# Altium PCB utca-rtm-template.PcbDoc (continued)
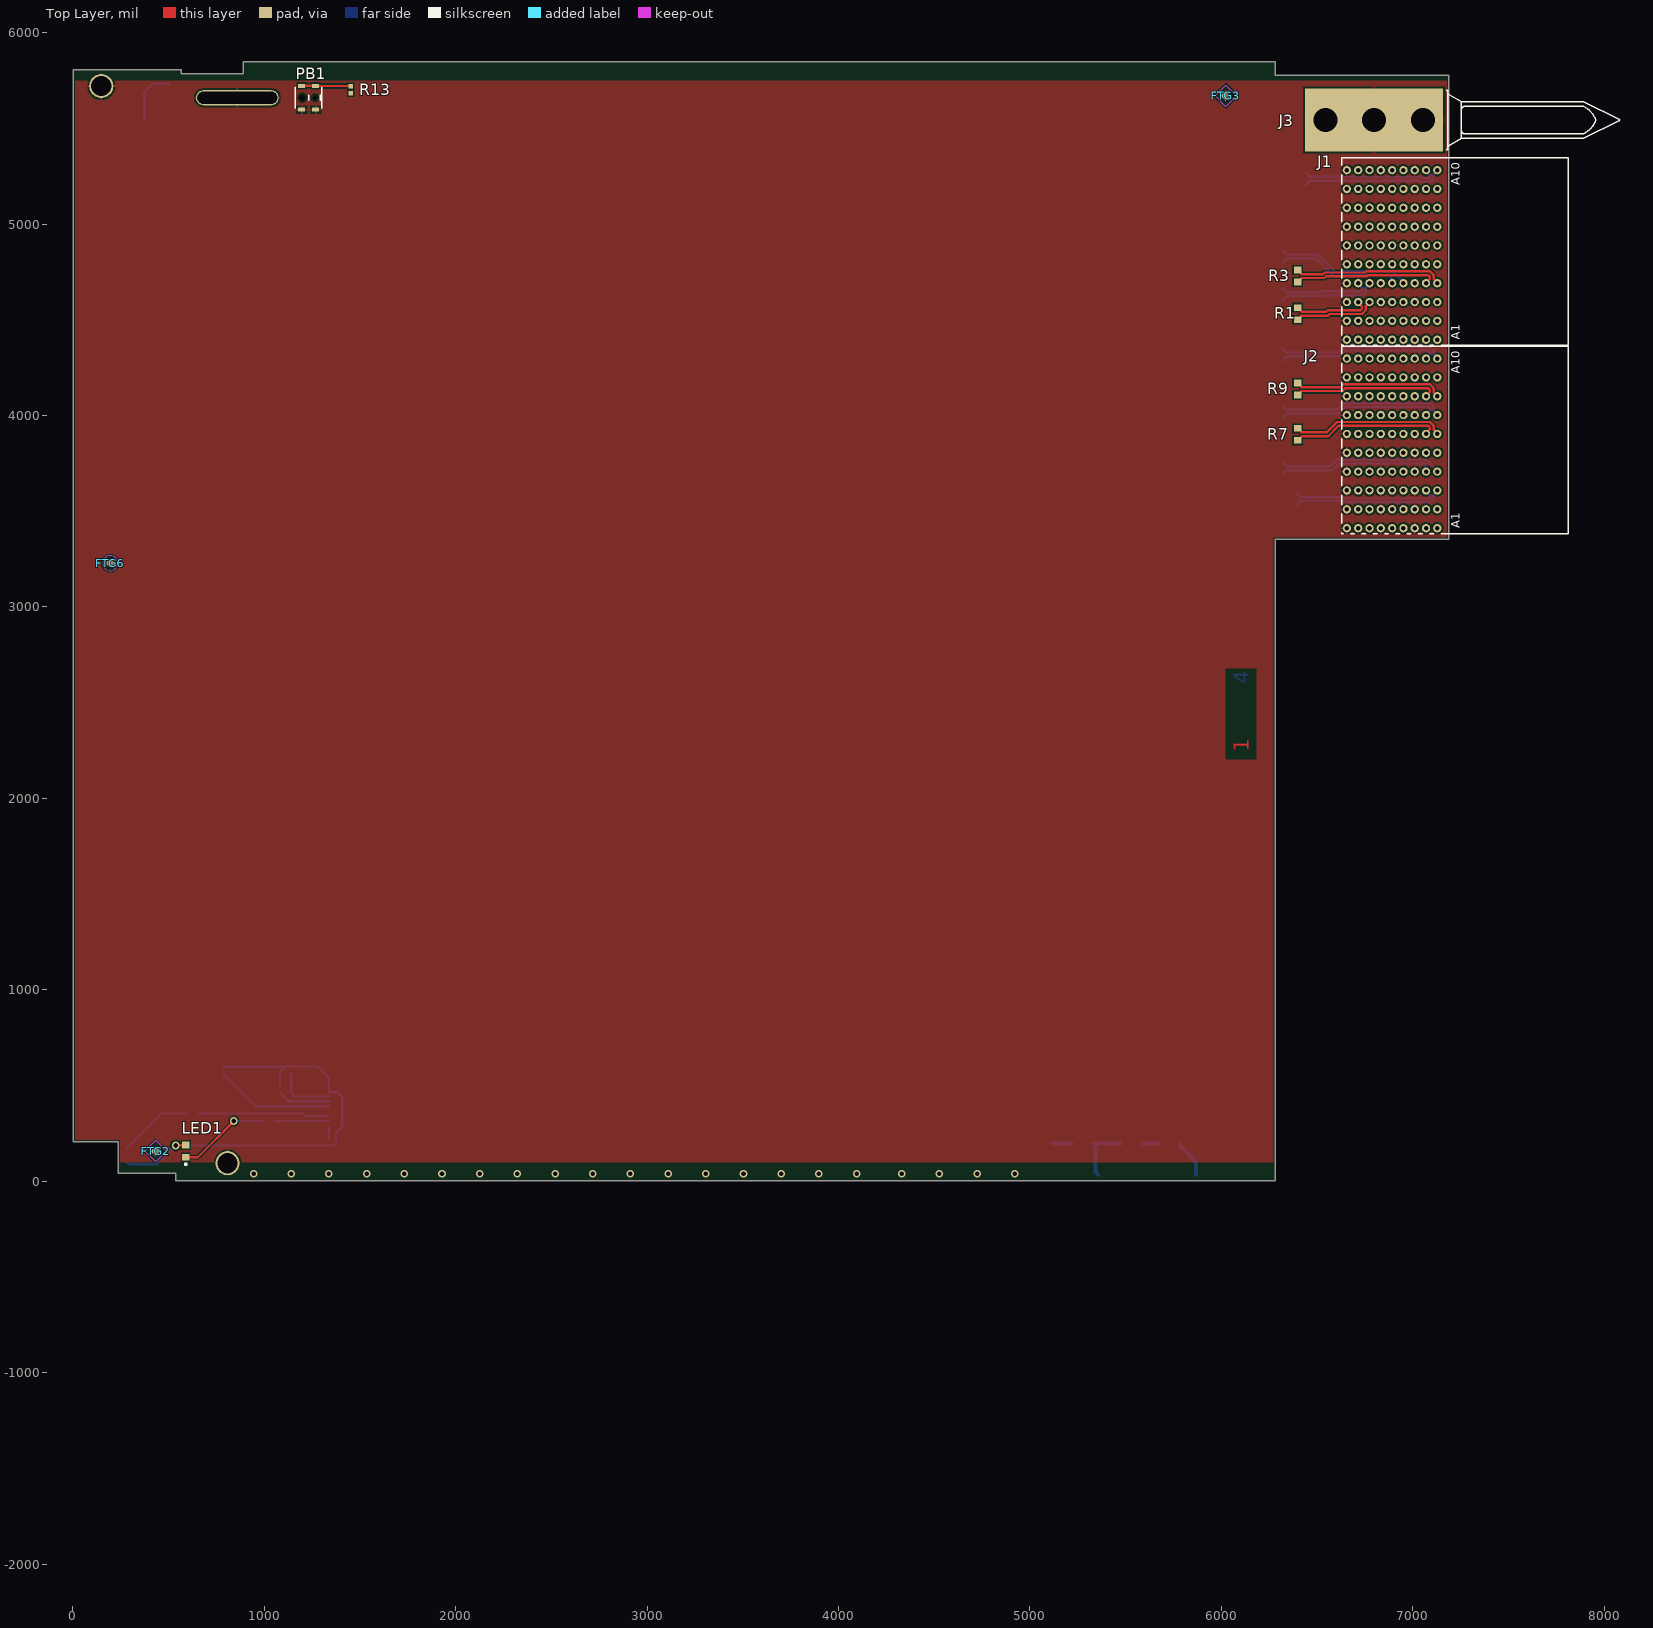
[diagram p0: Top Layer view]
## Board outline (continued)

## Design rules (kind name [scope] priority, off if disabled: settings)
BoardOutlineClearance [All] p1: gap=11 ignorepadtopadclearanceinfootprint=FALSE except(0: Arc-SplitContinuation Track-SplitContinuation SMDPad-SplitContinuation THPad-SplitContinuation Via-SplitContinuation Fill-SplitContinuation Poly-SplitContinuation Region-SplitContinuation Text-SplitContinuation)
Clearance [All] p1: gap=10 ignorepadtopadclearanceinfootprint=FALSE except(0: Arc-Hole Track-Hole SMDPad-Hole THPad-Hole Via-Hole Fill-Hole Poly-Hole Region-Hole Text-Hole; 7: Arc-Arc Arc-Track Arc-SMDPad Arc-Fill Arc-Poly Arc-Region Track-Track Track-SMDPad Track-Fill Track-Poly Track-Region SMDPad-SMDPad SMDPad-Fill SMDPad-Poly SMDPad-Region; 8: Arc-THPad Arc-Via Track-THPad Track-Via SMDPad-THPad SMDPad-Via THPad-THPad THPad-Via Via-Via)
DiffPairsRouting [All] p1: maxlimit=20 minlimit=8 mostfreqgap=8 toplayer_minwidth=10 toplayer_maxwidth=40 toplayer_prefwidth=12 bottomlayer_minwidth=10 bottomlayer_maxwidth=40 bottomlayer_prefwidth=12 maxuncoupledlength=500
PlaneClearance [All] p1: clearance=20
PlaneConnect [All] p1: planeconnectstyle=Relief reliefexpansion=20 reliefentries=4 reliefconductorwidth=10 reliefairgap=10
PolygonConnect [All] p1: connectstyle=Relief reliefconductorwidth=10 reliefentries=4 polygonreliefangle="90 Angle" airgapwidth=10
RoutingVias [All] p1: holewidth=23.62 width=39.37 viastyle="Through Hole" minholewidth=7.87 minwidth=15.75 maxholewidth=196.85 maxwidth=212.6
SolderMaskExpansion [All] p1: expansion=4
Width [All] p1: maxlimit=40 minlimit=8 preferedwidth=12 minimp=50.000000 maximp=50.000000 favimp=50.000000
27 further rules are at their usual default settings.

## Classes and differential pairs
component class rtm-top: FTG1 FTG2 FTG3 FTG4 FTG5 FTG6 R20 R21 R22 R23
net class RTM_IO[14..0]: RTM_IO0 RTM_IO1 RTM_IO2 RTM_IO3 RTM_IO4 RTM_IO5 RTM_IO6 RTM_IO7 RTM_IO8 RTM_IO9 RTM_IO10 RTM_IO11 RTM_IO12 RTM_IO13 RTM_IO14
component class IPMI: C1 C2 C3 C4 IC1 IC2 IC3 IC4 LED1 LED2 LED3 PB1 R12 R13 R14 R15 R16 R17 R18 R19
component class Connectors: J1 J2 J3 R1 R3 R4 R5 R6 R7 R8 R9 R10 R11
differential pair DNC3: +DNC3_P -DNC3_N
differential pair DNC11: +DNC11_P -DNC11_N
differential pair RTM_LVD2: +RTM_LVD2_P -RTM_LVD2_N
differential pair DNC9: +DNC10_P -DNC10_N
differential pair DNC8: +DNC9_P -DNC9_N
differential pair DNC7: +DNC8_P -DNC8_N
differential pair DNC6: +DNC7_P -DNC7_N
differential pair DNC5: +DNC6_P -DNC6_N
differential pair DNC4: +DNC5_P -DNC5_N
differential pair DNC3: +DNC4_P -DNC4_N
differential pair DNC2: +DNC2_P -DNC2_N
differential pair DNC1: +DNC1_P -DNC1_N
differential pair SYNC_CLK1: +SYNC_CLK1_P -SYNC_CLK1_N
differential pair SFP8TX: +SFP8TX_P -SFP8TX_N
differential pair SFP8RX: +SFP8RX_P -SFP8RX_N
differential pair SFP7TX: +SFP7TX_P -SFP7TX_N
differential pair SFP7RX: +SFP7RX_P -SFP7RX_N
differential pair SFP6TX: +SFP6TX_P -SFP6TX_N
differential pair SFP6RX: +SFP6RX_P -SFP6RX_N
differential pair SFP5TX: +SFP5TX_P -SFP5TX_N
differential pair SFP5RX: +SFP5RX_P -SFP5RX_N
differential pair SFP4TX: +SFP4TX_P -SFP4TX_N
differential pair SFP4RX: +SFP4RX_P -SFP4RX_N
differential pair SFP3TX: +SFP3TX_P -SFP3TX_N
differential pair SFP3RX: +SFP3RX_P -SFP3RX_N
differential pair SFP2TX: +SFP2TX_P -SFP2TX_N
differential pair SFP2RX: +SFP2RX_P -SFP2RX_N
differential pair SFP1TX: +SFP1TX_P -SFP1TX_N
differential pair SFP1RX: +SFP1RX_P -SFP1RX_N
differential pair RTM_LVD7: +RTM_LVD7_P -RTM_LVD7_N
differential pair RTM_LVD6: +RTM_LVD6_P -RTM_LVD6_N
differential pair RTM_LVD5: +RTM_LVD5_P -RTM_LVD5_N
differential pair RTM_LVD4: +RTM_LVD4_P -RTM_LVD4_N
differential pair RTM_LVD3: +RTM_LVD3_P -RTM_LVD3_N
differential pair RTM_LVD1: +RTM_LVD1_P -RTM_LVD1_N
differential pair RTM_LVD0: +RTM_LVD0_P -RTM_LVD0_N
differential pair FPGA_CLK2: +FPGA_CLK2_P -FPGA_CLK2_N
differential pair FPGA_CLK1: +FPGA_CLK1_P -FPGA_CLK1_N

## Components (designator, comment, footprint, x,y, rotation, side; value= is the part's Value field where it differs from the comment)
C1 "100nF" CAPC1005X55N 5354.33,5236.22 r180 bottom
C2 "100nF" CAPC1005X55N 5354.33,4881.89 r180 bottom
C3 "100nF" CAPC1005X55N 1555.12,570.87 r0 bottom
C4 "100nF" CAPC1005X55N 5492.13,5649.61 r90 bottom
FTG1 "Use only in PCB" FIDUCIAL_TOP_S100-200 433.07,157.48 r90 bottom
FTG2 "Use only in PCB" FIDUCIAL_TOP_S100-200 433.07,157.48 r90 top
FTG3 "Use only in PCB" FIDUCIAL_TOP_S100-200 6023.63,5669.29 r90 top
FTG4 "Use only in PCB" FIDUCIAL_TOP_S100-200 6023.63,5669.29 r90 bottom
FTG5 "Use only in PCB" FIDUCIAL_TOP_C100-200 6023.62,3188.98 r90 bottom
FTG6 "Use only in PCB" FIDUCIAL_TOP_C100-200 196.85,3228.35 r90 top
IC1 "PCA9554PW" SOP65P640X110-16N 1454.72,378.94 r180 bottom
IC2 "LM75AIM/NOPB" SOIC127P600X175-8N 5598.43,5161.22 r180 bottom
IC3 "LM75AIM/NOPB" SOIC127P600X175-8N 5598.43,4806.89 r180 bottom
IC4 "24LC64-I/MS" SOP65P490X110-8N 5578.74,5512.8 r180 bottom
J1 "Advanced TCA" TYCO_6469183-1 6891.73,4838.58 r0 top
J2 "Advanced TCA" TYCO_6469183-1 6891.73,3854.33 r0 top
J3 "Family" TYCO_1469265-1 6797.91,5543.31 r0 top
LED1 "Red" LEDC1608X80N_RED 590.55,157.48 r90 top
LED2 "Green" LED_AVAGO_HSME-C120 285.43,137.8 r270 bottom
LED3 "Blue" LED_AVAGO_HSMR-C120 505.91,5693.9 r270 bottom
PB1 "Push Button" SW_C&K_HDT0001 1232.28,5659.45 r0 top
R1 "100" RESC1608X55N 6397.64,4531.5 r270 top
R2 "100" RESC1608X55N 6393.7,3562.99 r270 bottom
R3 "100" RESC1608X55N 6397.64,4728.35 r90 top
R4 "100" RESC1608X55N 6318.9,4830.71 r90 bottom
R5 "100" RESC1608X55N 6318.9,4633.86 r270 bottom
R6 "100" RESC1608X55N 6318.9,3724.41 r90 bottom
R7 "100" RESC1608X55N 6397.64,3901.57 r90 top
R8 "100" RESC1608X55N 6318.9,4019.68 r90 bottom
R9 "100" RESC1608X55N 6397.64,4137.8 r90 top
R10 "100" RESC1608X55N 6440.94,5236.22 r270 bottom
R11 "100" RESC1608X55N 6318.9,4318.9 r90 bottom
R12 "10k" RESC1005X40N 1357.09,216.54 r180 bottom
R13 "10k" RESC1005X40N 1452.76,5701.97 r270 top
R14 "10k" RESC1005X40N 787.4,579.92 r270 bottom
R15 "330" RESC1608X55N 1023.62,314.96 r180 bottom
R16 "330" RESC1608X55N 629.92,354.33 r180 bottom
R17 "330" RESC1608X55N 374.02,5511.81 r90 bottom
R18 "10k" RESC1005X40N 1141.73,580.71 r270 bottom
R19 "10k" RESC1005X40N 1082.68,482.28 r270 bottom
R20 "1M" RESC3216X65N 5728.35,196.85 r180 bottom
R21 "1M" RESC3216X65N 5531.5,196.85 r180 bottom
R22 "1M" RESC3216X65N 5275.59,196.85 r180 bottom
R23 "1M" RESC3216X65N 5059.05,196.85 r180 bottom

## Footprints (in the part's own frame and the unit in brackets; to place one, negate y for a bottom-side part, rotate by r counter-clockwise, add the part's x,y. Pads: shape width x height; smd on the part's side, far side on the other; paste and mask are expansions set on the pad)
CAPC1005X55N [mm] "Chip Capacitor, Body 1.0x0.55mm, IPC Medium Density"
  rect 0.62x0.62 smd: 1(-0.45,0) 2(0.45,0)
  body extent -0.52,-0.27 0.53,0.28, height 0.55
FIDUCIAL_TOP_C100-200 [mm] "Round Fiducial Target, Top Layer, 1.0mm, Top Solder 2.0mm, Keepout =2.0mm"
  round 1 smd paste-0.51 mask+0.5: FTG2(0,0)
  Top Layer keep-out circle w0.1: c0,0 r1
FIDUCIAL_TOP_S100-200 [mm] "Square Fiducial Target, Top Layer, 1.0mm, Top Solder 2.0mm, Keepout =2.0mm"
  rect 1x1 smd rot 45 paste-0.51 mask+0.5: 1(0,0)
  Top Layer keep-out region: 1.414,0 0,-1.414 -1.414,0 0,1.414
LED_AVAGO_HSME-C120 [mm] "Green Chip LED, 2-Leads, Body 1.7x1.1mm, Side Emitting Package"
  rect 0.8x0.7 smd: 1(-1,0) 2(1,0)
  rect 0.4x0.4 smd: 3(0,-0.35)
  silkscreen extent -1.12,-0.92 0.42,0.8, body extent -0.85,-0.3 0.85,0.8, height 0.7
LED_AVAGO_HSMR-C120 [mm] "Blue Chip LED, 2-Leads, Body 1.7x1.1mm, Side Emitting Package"
  rect 0.8x0.7 smd: 1(-1,0) 2(1,0)
  rect 0.4x0.4 smd: 3(0,-0.35)
  silkscreen extent -1.12,-0.92 0.42,0.8, body extent -0.85,-0.3 0.85,0.8, height 0.7
LEDC1608X80N_RED [mm] "Chip RED LED, 2-Leads, Body 1.6x0.8mm, IPC Medium Density"
  rect 0.9x0.95 smd: 1(-0.8,0) 2(0.8,0)
  silkscreen extent -1.87,-0.13 -1.63,0.12, body extent -0.8,-0.4 0.8,0.4, height 0.8
RESC1005X40N [mm] "Chip Resistor, EIA 0402, Metric 1005, Body 1.0x0.5mm, IPC Medium Density"
  rect 0.58x0.62 smd: 1(-0.47,0) 2(0.47,0)
  body extent -0.52,-0.27 0.53,0.28, height 0.4
RESC1608X55N [mm] "Chip Resistor, EIA 0603, Metric 1608, Body 1.6x0.8mm, IPC Medium Density"
  rect 0.9x1 smd: 1(-0.8,0) 2(0.8,0)
  body extent -0.87,-0.47 0.88,0.48, height 0.55
RESC3216X65N [mm] "Chip Resistor, EIA 1206, Metric 3216, Body 3.2x1.6mm, IPC Medium Density"
  rect 1.15x1.8 smd: 1(-1.45,0) 2(1.45,0)
  silkscreen extent -0.5,-0.9 0.5,0.9, body extent -1.67,-0.87 1.68,0.88, height 0.65
SOIC127P600X175-8N [mm] "SOIC 8, Pitch 1.27mm - Body 4x5mm, IPC Medium Density"
  rect 1.55x0.6 smd: 1(-2.7,1.905) 2(-2.7,0.635) 3(-2.7,-0.635) 4(-2.7,-1.905) 5(2.7,-1.905) 6(2.7,-0.635) 7(2.7,0.635) 8(2.7,1.905)
  silkscreen extent -2.53,-2.5 1.55,2.88, body extent -3.1,-2.5 3.1,2.5, height 1.75
SOP65P490X110-8N [mm] "SOP, 0.65mm pitch; 8 pin, 3.00mm W X 3.00mm L X 1.10mm H body, IPC Medium Density"
  rect 1.5x0.45 smd: 1(-2.2,0.975) 2(-2.2,0.325) 3(-2.2,-0.325) 4(-2.2,-0.975) 5(2.2,-0.975) 6(2.2,-0.325) 7(2.2,0.325) 8(2.2,0.975)
  silkscreen extent -2.83,-1.5 1.12,1.82, body extent -2.45,-1.55 2.45,1.55, height 1.1
SOP65P640X110-16N [mm] "SOP, 0.65mm pitch; 16 pin, 4.40mm W X 5.00mm L X 1.10mm H body IPC Medium Density"
  rect 1.5x0.45 smd: 1(-2.95,2.275) 2(-2.95,1.625) 3(-2.95,0.975) 4(-2.95,0.325) 5(-2.95,-0.325) 6(-2.95,-0.975) 7(-2.95,-1.625) 8(-2.95,-2.275) 9(2.95,-2.275) 10(2.95,-1.625) 11(2.95,-0.975) 12(2.95,-0.325) 13(2.95,0.325) 14(2.95,0.975) 15(2.95,1.625) 16(2.95,2.275)
  silkscreen extent -3.58,-2.5 1.88,3.12, body extent -3.12,-2.55 3.12,2.55, height 1.1
SW_C&K_HDT0001 [mm] "Micro Mini Surface Mount Detect Switches, HDT Serie"
  rect 0.95x0.55 smd: 1(-0.925,1.575) 2(0.925,1.575) 3(-0.925,-1.575) 4(0.925,-1.575)
  round 0.5 hole 0.85 unplated mask+0.175: 5(-0.85,0)
  round 0.5 hole 0.65 unplated mask+0.075: 10(0.85,0)
  silkscreen extent -1.75,-1.4 1.75,1.4, body extent -1.75,-1.65 1.75,1.65, height 3.35
TYCO_1469265-1 [mm] "Universal Right Angle Male Power Module Guide (keyed)"
  round 3.9 hole 3.2: 1(-6.48,0) 1(6.48,0)
  rect 18.3x8.3 smd paste-4.15 mask-4.15: 1(0,0)
  round 6 hole 3.2: 1(0,0)
  silkscreen extent 9.58,-3.96 32.55,3.94, body extent -8.92,-3.95 32.53,3.95, height 9.7
TYCO_6469183-1 [mm] "60 Positions, Pitch 2.5mm,  Advanced TCA, Z-PACK HM-Zd BackPlane Press Fit Header"
  round 1.1 hole 0.6: A1(6,-11.25) A2(6,-8.75) A3(6,-6.25) A4(6,-3.75) A5(6,-1.25) A6(6,1.25) A7(6,3.75) A8(6,6.25) A9(6,8.75) A10(6,11.25) B1(4.5,-11.25) B2(4.5,-8.75) B3(4.5,-6.25) B4(4.5,-3.75) B5(4.5,-1.25) B6(4.5,1.25) B7(4.5,3.75) B8(4.5,6.25) B9(4.5,8.75) B10(4.5,11.25) BG1(3,-11.25) BG2(3,-8.75) BG3(3,-6.25) BG4(3,-3.75) BG5(3,-1.25) BG6(3,1.25) BG7(3,3.75) BG8(3,6.25) BG9(3,8.75) BG10(3,11.25) C1(1.5,-11.25) C2(1.5,-8.75) C3(1.5,-6.25) C4(1.5,-3.75) C5(1.5,-1.25) C6(1.5,1.25) C7(1.5,3.75) C8(1.5,6.25) C9(1.5,8.75) C10(1.5,11.25) D1(0,-11.25) D2(0,-8.75) D3(0,-6.25) D4(0,-3.75) D5(0,-1.25) D6(0,1.25) D7(0,3.75) D8(0,6.25) D9(0,8.75) D10(0,11.25) DG1(-1.5,-11.25) DG2(-1.5,-8.75) DG3(-1.5,-6.25) DG4(-1.5,-3.75) DG5(-1.5,-1.25) DG6(-1.5,1.25) DG7(-1.5,3.75) DG8(-1.5,6.25) DG9(-1.5,8.75) DG10(-1.5,11.25) E1(-3,-11.25) E2(-3,-8.75) E3(-3,-6.25) E4(-3,-3.75) E5(-3,-1.25) E6(-3,1.25) E7(-3,3.75) E8(-3,6.25) E9(-3,8.75) E10(-3,11.25) F1(-4.5,-11.25) F2(-4.5,-8.75) F3(-4.5,-6.25) F4(-4.5,-3.75) F5(-4.5,-1.25) F6(-4.5,1.25) F7(-4.5,3.75) F8(-4.5,6.25) F9(-4.5,8.75) F10(-4.5,11.25) FG1(-6,-11.25) FG2(-6,-8.75) FG3(-6,-6.25) FG4(-6,-3.75) FG5(-6,-1.25) FG6(-6,1.25) FG7(-6,3.75) FG8(-6,6.25) FG9(-6,8.75) FG10(-6,11.25)
  silkscreen extent -6.65,-12 23.35,12.9, body extent -6.65,-12 23.35,12.9, height 13.31

## Part data
C1 C2 C3 C4: library part CC0402_100NF_16V_10%_X7R, "Non-polarised capacitor", Case=0402, Manufacturer=GENERIC, Manufacturer1 ComponentHeight=0.55mm, Manufacturer1 Example=PHYCOMP, Manufacturer1 Part Number=223878715649, Tolerance=±10%, Voltage=16V, Author="CERN DEM JLC", Component Type=Standard, CreateDate=12/3/2007, HelpURL=\\cern.ch\dfs\Applications\Altium\Datasheets\CC0402_X7R_PHYCOMP.pdf, LatestRevisionDate=12/3/2007, Manufacturer Part Number=CC0402_100NF_16V_10%_X7R, Mounted=Yes, Part Description="SMD Multilayer Chip Ceramic Capacitor", Part Number=CC0402_100NF_16V_10%_X7R, Pin Count=2, SMD=Yes, Socket=No, Status="Not Recommended", Table="Capacitors SMD", TC=X7R
FTG1 FTG2 FTG3 FTG4: library part FIDUCIAL_TARGET_S100-200, "Fiducial Target", Author="CERN DEM JLC", ComponentHeight=0mm, Component Type="Standard (No BOM)", CreateDate=09/02/2010, Family=Fiducial, HelpURL=Undefined, LatestRevisionDate=04/04/2012, Mounted=No, PackageDescription="Square Fiducial Target, Top Layer, 1.0mm, Top Solder 2.0mm, Keepout =2.0mm", Part Description="Square Fiducial Target, Top Layer, 1.0mm, Top Solder 2.0mm, Keepout =2.0mm", Part Number=FIDUCIAL_TARGET_S100-200, Pin Count=1, Sense=No, SMD=Yes, Socket=No, Status=None
FTG5 FTG6: library part FIDUCIAL_TARGET_C100-200, "Fiducial Target", Author="CERN DEM JLC", ComponentHeight=0mm, Component Type="Standard (No BOM)", CreateDate=09/02/2010, Family=Fiducial, HelpURL=Undefined, LatestRevisionDate=04/04/2012, Mounted=No, PackageDescription="Round Fiducial Target, Top Layer, 1.0mm, Top Solder 2.0mm, Keepout =2.0mm", Part Description="Round Fiducial Target, Top Layer, 1.0mm, Top Solder 2.0mm, Keepout =2.0mm", Part Number=FIDUCIAL_TARGET_C100-200, Pin Count=1, Sense=No, SMD=Yes, Socket=No, Status=None
IC1: "8-Bit I2C-Bus and SMBus I/O Port with Interrupt", Case=TSSOP16, Manufacturer="NXP SEMICONDUCTORS", Author="CERN DEM JLC", Bonding=No, ComponentHeight=1.1mm, Component Type=Standard, CreateDate=04/11/2014, Device=PCA9554PW, HelpURL=\\cern.ch\dfs\Applications\Altium\Datasheets\PCA9554PW.pdf, LatestRevisionDate=04/11/2014, Manufacturer Part Number=PCA9554PW, Mounted=Yes, PackageDescription="SOP, 0.65mm pitch; 16 pin, 4.40mm W X 5.00mm L X 1.10mm H body IPC Medium Density", Part Description="8-Bit I2C-Bus and SMBus I/O Port with Interrupt", Part Number=PCA9554PW, Pin Count=16, PressFit=No, Sense=No, SMD=Yes, Socket=No
IC2 IC3: "Digital Temperature Sensor and Thermal Watchdog with Two-Wire Interface", Case=SOIC8, Manufacturer="TEXAS INSTRUMENTS", Author="CERN DEM JLC", Bonding=No, ComponentHeight=1.75mm, Component Type=Standard, CreateDate=15/10/2012, Device=LM75AIM/NOPB, HelpURL=\\cern.ch\dfs\Applications\Altium\Datasheets\LM75AIM-NOPB.pdf, LatestRevisionDate=15/10/2012, Manufacturer Part Number=LM75AIM/NOPB, Mounted=Yes, PackageDescription="SOIC 8, Pitch 1.27mm - Body 4x5mm, IPC Medium Density", Part Description="-25° to +100°C ±2°C Digital Temperature Sensor and Thermal Watchdog with Two-Wire Interface", Part Number=LM75AIM/NOPB, Pin Count=8, PressFit=No, Sense=No, SMD=Yes, Socket=No
IC4: "64K I2C Serial EEPROM", Case=MSOP8, Manufacturer="MICROCHIP TECHNOLOGY", Author="CERN DEM JLC", ComponentHeight=1.1mm, Component Type=Standard, CreateDate=2011-01-24, Device=24LC64-I/MS, HelpURL=\\cern.ch\dfs\Applications\Altium\Datasheets\24LC64-I-MS.pdf, LatestRevisionDate=2011-01-24, Manufacturer Part Number=24LC64-I/MS, Mounted=Yes, PackageDescription="SOP, 0.65mm pitch; 8 pin, 3.00mm W X 3.00mm L X 1.10mm H body, IPC Medium Density", Part Description="2.5V-5.5V, 64K (8K x 8-bit) I2C Serial EEPROM", Part Number=24LC64-I/MS, Pin Count=8, SMD=Yes, Socket=No, Table=Logic
J1 J2: library part TYCO_6469183-1, "Connector 60 ATCA Male 30 Pairs (60 Signals) + 3x10 Ground", Manufacturer="TYCO ELECTRONICS", Manufacturer Part Number=6469183-1, Author="CERN DEM JLC", ComponentHeight=13.31mm, Component Type=Standard, CreateDate=28/08/2013, Family="Advanced TCA", HelpURL=\\cern.ch\dfs\Applications\Altium\Datasheets\TYCO_6469183-1.pdf, LatestRevisionDate=28/08/2013, Mounted=Yes, Part Description="60 Positions, Pitch 2.5mm,  Advanced TCA, Z-PACK HM-Zd Right Angle Press Fit Header", Part Number=TYCO_6469183-1, Pin Count=90, PressFit=Yes, Sense=No, SMD=No, Socket=No, Status=None
J3: library part TYCO_1469265-1, "Single Pin Male", Manufacturer="TYCO ELECTRONICS", Manufacturer Part Number=1469265-1, Author="CERN DEM JLC", ComponentHeight=9.78mm, Component Type=Standard, CreateDate=28/08/2013, HelpURL=\\cern.ch\dfs\Applications\Altium\Datasheets\TYCO_1469265-1.pdf, LatestRevisionDate=28/08/2013, Mounted=Yes, Part Description="Universal Right Angle Male Power Module Guide (keyed)", Part Number=TYCO_1469265-1, Pin Count=1, PressFit=No, Sense=No, SMD=No, Socket=No, Status=None
LED1: library part LED_ROHM_SML-311UTT86K, "LED Red 1C 2A", Manufacturer=ROHM, Manufacturer Part Number=SML-311UTT86K, Author="CERN DEM JLC", Bonding=No, Color=Red, ComponentHeight=0.8mm, Component Type=Standard, CreateDate=16/03/2010, HelpURL=\\cern.ch\dfs\Applications\Altium\Datasheets\LED_ROHM_SML-311UTT86K.pdf, LatestRevisionDate=17/03/2010, Mounted=Yes, PackageDescription="Chip Red LED, 2-Leads, Body 1.6x0.8mm, IPC Medium Density", Part Description="Low current chip LED SML-311 Serie", Part Number=LED_ROHM_SML-311UTT86K, Pin Count=2, PressFit=No, Sense=No, SMD=Yes, Socket=No
LED2: library part LED_AVAGO_HSME-C120, "LED Green 1C 2A", Manufacturer="AVAGO TECHNOLOGIES", Manufacturer Part Number=HSME-C120, Author="CERN DEM JMW", Bonding=No, Color=Green, ComponentHeight=0.7mm, ComponentLink1Description="Design Guide", ComponentLink1URL=\\cern.ch\dfs\Applications\Altium\Datasheets\LED_AVAGO_HSME-C110_DESIGN-GUIDE.pdf, Component Type=Standard, CreateDate=22/07/2009, HelpURL=\\cern.ch\dfs\Applications\Altium\Datasheets\LED_AVAGO_HSME-C120.pdf, LatestRevisionDate=20/06/2012, Mounted=Yes, PackageDescription="Green Chip LED, 2-Leads, Body 1.7x1.1mm, Side Emitting Package", Part Description="High Performance Right Angle Chip Green LED", Part Number=LED_AVAGO_HSME-C120, Pin Count=2, PressFit=No, Sense=No, SMD=Yes, Socket=No
LED3: library part LED_AVAGO_HSMR-C120, "LED Blue 1C 2A", Manufacturer="AVAGO TECHNOLOGIES", Manufacturer Part Number=HSMR-C120, Author="CERN DEM JLC", Bonding=No, Color=Blue, ComponentHeight=0.7mm, Component Type=Standard, CreateDate=07/07/2014, HelpURL=\\cern.ch\dfs\Applications\Altium\Datasheets\LED_AVAGO_HSMR-C120.pdf, LatestRevisionDate=07/07/2014, Mounted=Yes, PackageDescription="Blue Chip LED, 2-Leads, Body 1.7x1.1mm, Side Emitting Package", Part Description="High Performance Right Angle Chip InGaN Blue LED", Part Number=LED_AVAGO_HSMR-C120, Pin Count=2, PressFit=No, Sense=No, SMD=Yes, Socket=No
PB1: library part SW_C&K_HDT0001, "Push-Button Switch SPDT", Manufacturer=C&K, Manufacturer Part Number=HDT0001, Author="CERN DEM JLC", ComponentHeight=3.35mm, Component Type=Standard, CreateDate=2012-08-15, Family="Push Button", HelpURL=\\cern.ch\dfs\Applications\Altium\Datasheets\SW_C&K_HDT0001.pdf, LatestRevisionDate=2012-08-15, Mounted=Yes, PackageDescription="Body 3.5x2.8mm, Micro Mini Surface Mount Detect Switches, HDT Serie", Part Description="5VDC 1mA SPST-NO Micro Mini Surface Surface Mount Detect Push-Button Switch, HDT Serie", Part Number=SW_C&K_HDT0001, Pin Count=4, SMD=Yes, Socket=No, Status=None, Table=Switches
R1 R2 R4 R5 R6 R7 R8 R9 R11: library part R0603_100R_1%_0.1W_100PPM, "Resistor - 1%", Case=0603, Manufacturer=GENERIC, Manufacturer1 ComponentHeight=0.55mm, Manufacturer1 Example="NIC COMPONENT", Manufacturer1 Part Number=NRC06F4700TRF, Power=0.1W, Tolerance=±1%, Author="CERN DEM JLC", Component Type=Standard, CreateDate=03/12/2007, HelpURL=\\cern.ch\dfs\Applications\Altium\Datasheets\R0603_NIC_NRC.pdf, LatestRevisionDate=13/03/2008, Manufacturer Part Number=R0603_100R_1%_0.1W_100PPM, Mounted=Yes, Part Description="General Purpose Thick Film Chip Resistor", Part Number=R0603_100R_1%_0.1W_100PPM, Pin Count=2, Sense=No, SMD=Yes, Socket=No, Status=Preferred, TC=±100ppm/°C
R3 R10: library part R0603_100R_1%_0.1W_100PPM, "Resistor - 1%", Case=0603, Manufacturer=GENERIC, Manufacturer1 ComponentHeight=0.55mm, Manufacturer1 Example="NIC COMPONENT", Manufacturer1 Part Number=NRC06F1000TRF, Power=0.1W, Tolerance=±1%, Author="CERN DEM JLC", Component Type=Standard, CreateDate=03/12/2007, HelpURL=\\cern.ch\dfs\Applications\Altium\Datasheets\R0603_NIC_NRC.pdf, LatestRevisionDate=13/03/2008, Manufacturer Part Number=R0603_100R_1%_0.1W_100PPM, Mounted=Yes, Part Description="General Purpose Thick Film Chip Resistor", Part Number=R0603_100R_1%_0.1W_100PPM, Pin Count=2, Sense=No, SMD=Yes, Socket=No, Status=Preferred, TC=±100ppm/°C
R12 R13 R14 R18 R19: library part R0402_10K_1%_0.0625W_100PPM, "Resistor - 1%", Case=0402, Manufacturer=GENERIC, Manufacturer1 ComponentHeight=0.4mm, Manufacturer1 Example="YAGEO PHYCOMP", Manufacturer1 Part Number=232270671003L, Power=0.0625W, Tolerance=±1%, Author="CERN DEM JLC", Component Type=Standard, CreateDate=2007-12-03, HelpURL=\\cern.ch\dfs\Applications\Altium\Datasheets\R0402_Phycomp_RC0402.pdf, LatestRevisionDate=2012-10-17, Manufacturer Part Number=R0402_10K_1%_0.0625W_100PPM, Mounted=Yes, Part Description="General Purpose Thick Film Chip Resistor", Part Number=R0402_10K_1%_0.0625W_100PPM, Pin Count=2, SMD=Yes, Socket=No, Status="Not recommended", Table="Resistors SMD", TC=±100ppm/°C
R15 R16 R17: library part R0603_330R_1%_0.1W_100PPM, "Resistor - 1%", Case=0603, Manufacturer=GENERIC, Manufacturer1 ComponentHeight=0.55mm, Manufacturer1 Example="NIC COMPONENT", Manufacturer1 Part Number=NRC06F3300TRF, Power=0.1W, Tolerance=±1%, Author="CERN DEM JLC", Component Type=Standard, CreateDate=2007-12-03, HelpURL=\\cern.ch\dfs\Applications\Altium\Datasheets\R0603_NIC_NRC.pdf, LatestRevisionDate=2008-03-13, Manufacturer Part Number=R0603_330R_1%_0.1W_100PPM, Mounted=Yes, Part Description="General Purpose Thick Film Chip Resistor", Part Number=R0603_330R_1%_0.1W_100PPM, Pin Count=2, SMD=Yes, Socket=No, Status=Preferred, Table="Resistors SMD", TC=±100ppm/°C
R20 R21 R22 R23: library part R1206_1M_1%_0.25W_100PPM, "Resistor - 1%", Case=1206, Manufacturer=GENERIC, Manufacturer1 ComponentHeight=0.65mm, Manufacturer1 Example="NIC COMPONENT", Manufacturer1 Part Number=NRC12F1004TRF, Power=0.25W, Tolerance=±1%, Author="CERN DEM JLC", Component Type=Standard, CreateDate=03/12/2007, HelpURL=\\cern.ch\dfs\Applications\Altium\Datasheets\R1206_NIC_NRC.pdf, LatestRevisionDate=13/03/2008, Manufacturer Part Number=R1206_1M_1%_0.25W_100PPM, Mounted=Yes, Part Description="General Purpose Thick Film Chip Resistor", Part Number=R1206_1M_1%_0.25W_100PPM, Pin Count=2, Sense=No, SMD=Yes, Socket=No, Status=Preferred, TC=±100ppm/°C

## Free pads (board coordinates)
  oval 433.07x78.74 hole 62.99 slot 417.32 at 0 deg: 0(860.24,5659.45)
  rect 393.7x39.37 smd far side paste-100000 mask+10: ESD_STRIP_1(5868.14,34.45) "ESD_STRIP_ 2"(5356.33,34.45)
  rect 4218.11x39.37 smd far side paste-100000 mask+10: ESD_STRIP_3(2932.27,34.45)
  round 125.98 hole 106.3: MH1(149.61,5720.47) MH2(809.06,94.49)

## Via types
v1: diameter 39.37, hole 23.62, Top Layer to Bottom Layer, 23 vias

## Nets (pads, with @x,y where several pads share a name; then routed paths per layer and width w, separated by ;. In a path a pad name is that pad's centre, name@x,y a point inside that pad or via, vN(x,y) a via of type N, cw(c..) or ccw(c..) an arc to the next point about the centre after c; other vN are vias at no path point)
CLK_EXT_N: J1.D3
CLK_EXT_P: J1.C3
DNC1_N: J1.B4 R3.1 | length 753.6
  Top Layer w12: R3.1 6399.61,4696.85 6411.32,4708.57 6411.32,4711.32 6418.35,4718.35 6539.83,4718.35 6548.08,4726.6 6670.28,4726.6 6758.85,4726.6 6765.37,4733.11 7081.4,4733.11 7088.43,4726.08 7088.43,4713.63 7068.9,4694.1 J1.B4
DNC1_P: J1.A4 R3.2 | length 786.7
  Top Layer w12: R3.2 6399.61,4759.84 6411.32,4748.13 6411.32,4745.38 6418.35,4738.35 6531.55,4738.35 6539.8,4746.6 6678.56,4746.6 6750.57,4746.6 6757.08,4753.11 7089.68,4753.11 7108.43,4734.37 7108.43,4713.63 7127.95,4694.1 J1.A4
DNC2_N: J1.B10 R10.1 | length 702.5
  Bottom Layer w12: R10.1 cw(c6440.94,5262.96) 6444.31,5266.32 6453.66,5256.97 cw(c6451.31,5254.62) 6454.63,5254.62 ccw(c6457.95,5254.62) 6455.6,5252.28 ccw(c6470.23,5266.9) 6470.23,5246.22 6640.37,5246.22 6640.74,5245.84 7040,5245.84 cw(c7040,5234.72) 7047.86,5242.59 ccw(c7055.72,5250.45) 7055.72,5239.33 7076.43,5239.33 ccw(c7076.43,5251.33) 7084.91,5242.84 ccw(c7076.43,5251.33) 7088.43,5251.33 ccw(c7070.36,5251.33) 7083.14,5264.1 7071.13,5276.11 cw(c7076.52,5281.5) J1.B10
DNC2_P: J1.A10 R10.2 | length 733.9
  Bottom Layer w12: R10.2 ccw(c6440.94,5209.48) 6444.3,5206.11 6453.66,5215.47 ccw(c6451.31,5217.82) 6454.63,5217.82 cw(c6457.95,5217.82) 6455.6,5220.16 cw(c6470.23,5205.54) 6470.23,5226.22 6632.08,5226.22 6632.46,5225.84 7031.12,5225.84 cw(c7031.12,5219.42) 7035.66,5223.96 ccw(c7046.84,5235.15) 7046.84,5219.33 7076.53,5219.33 ccw(c7076.53,5251.08) 7098.98,5228.63 7101.09,5230.74 ccw(c7083.39,5248.44) 7108.43,5248.44 cw(c7133.46,5248.44) 7115.76,5266.14 7125.72,5276.11 ccw(c7120.33,5281.5) J1.A10
DNC3_N: J1.D4 R4.1 | length 663.7
  Bottom Layer w12: R4.1 6320.87,4799.21 6332.58,4810.93 6332.58,4813.68 6339.61,4820.71 6494.25,4820.71 6588.54,4726.43 6640.57,4726.43 6647.6,4733.46 6884.7,4733.46 6887.56,4730.6 6887.56,4695.12 J1.D4
DNC3_P: J1.C4 R4.2 | length 713
  Bottom Layer w12: R4.2 6320.87,4862.2 6332.58,4850.49 6332.58,4847.74 6339.61,4840.71 6502.54,4840.71 6596.82,4746.43 6632.29,4746.43 6639.32,4753.46 6892.99,4753.46 6950.79,4695.65 J1.C4
DNC4_N: J1.F3 R1.1 | length 396.8
  Top Layer w12: R1.1 6399.61,4562.99 6411.32,4551.28 6411.32,4548.53 6418.35,4541.5 6547.92,4541.5 6556.17,4549.75 6726.46,4549.75 6734.09,4557.38 6734.09,4569.84 6714.57,4589.36 J1.F3
DNC4_P: J1.E3 R1.2 | length 429.9
  Top Layer w12: R1.2 6399.61,4500 6411.32,4511.72 6411.32,4514.47 6418.35,4521.5 6556.21,4521.5 6564.46,4529.75 6734.74,4529.75 6754.09,4549.1 6754.09,4569.84 6773.62,4589.36 J1.E3
DNC5_N: J1.F4 R5.1 | length 473.9
  Bottom Layer w12: R5.1 6320.87,4665.35 6332.58,4653.64 6332.58,4650.89 6339.61,4643.86 6510.52,4643.86 6514.84,4648.17 6726.46,4648.17 6734.09,4655.81 6734.09,4668.26 6714.57,4687.79 J1.F4
DNC5_P: J1.E4 R5.2 | length 507
  Bottom Layer w12: R5.2 6320.87,4602.36 6332.58,4614.08 6332.58,4616.83 6339.61,4623.86 6518.81,4623.86 6523.12,4628.17 6734.74,4628.17 6754.09,4647.52 6754.09,4668.26 6773.62,4687.79 J1.E4
DNC6_N: J2.B3 R2.1 | length 754.2
  Bottom Layer w12: R2.1 6395.67,3594.49 6407.39,3582.77 6407.39,3580.02 6414.42,3572.99 6640.37,3572.99 6647.26,3566.1 7081.4,3566.1 7088.43,3573.13 7088.43,3585.58 7068.9,3605.11 J2.B3
DNC6_P: J2.A3 R2.2 | length 787.4
  Bottom Layer w12: R2.2 6395.67,3531.5 6407.39,3543.21 6407.39,3545.96 6414.42,3552.99 6632.08,3552.99 6638.97,3546.1 7089.68,3546.1 7108.43,3564.85 7108.43,3585.58 7127.95,3605.11 J2.A3
DNC7_N: J2.B4 R6.1 | length 813.8
  Bottom Layer w12: R6.1 6320.87,3692.91 6332.58,3704.63 6332.58,3707.38 6339.61,3714.41 6577.34,3714.41 6612.57,3749.64 6632.29,3749.64 6632.46,3749.46 7061.87,3749.46 7064.99,3746.35 7064.99,3710.6 J2.B4
DNC7_P: J2.A4 R6.2 | length 863.1
  Bottom Layer w12: R6.2 6320.87,3755.91 6332.58,3744.19 6332.58,3741.44 6339.61,3734.41 6569.05,3734.41 6604.28,3769.64 6640.57,3769.64 6640.74,3769.46 7070.15,3769.46 7127.95,3711.66 J2.A4
DNC8_N: J2.B6 R7.1 | length 769.9
  Top Layer w12: R7.1 6399.61,3870.08 6411.32,3881.8 6411.32,3884.55 6418.35,3891.57 6557.65,3891.57 6611.79,3945.71 7081.4,3945.71 7088.43,3938.68 7088.43,3926.23 7068.9,3906.7 J2.B6
DNC8_P: J2.A6 R7.2 | length 803
  Top Layer w12: R7.2 6399.61,3933.07 6411.32,3921.35 6411.32,3918.6 6418.35,3911.57 6549.37,3911.57 6603.5,3965.71 7089.68,3965.71 7108.43,3946.96 7108.43,3926.23 7127.95,3906.7 J2.A6
DNC9_N: J2.B7 R8.1 | length 840.4
  Bottom Layer w12: R8.1 6320.87,3988.19 6332.58,3999.91 6332.58,4002.66 6339.61,4009.68 6612.81,4009.68 6647.26,4044.13 7081.4,4044.13 7088.43,4037.11 7088.43,4024.65 7068.9,4005.12 J2.B7
DNC9_P: J2.A7 R8.2 | length 873.6
  Bottom Layer w12: R8.2 6320.87,4051.18 6332.58,4039.46 6332.58,4036.71 6339.61,4029.68 6604.52,4029.68 6638.97,4064.13 7089.68,4064.13 7108.43,4045.39 7108.43,4024.65 7127.95,4005.12 J2.A7
DNC10_N: J2.B8 R9.1 | length 753.6
  Top Layer w12: R9.1 6399.61,4106.3 6411.32,4118.02 6411.32,4120.77 6418.35,4127.8 6632.49,4127.8 6647.26,4142.56 7081.4,4142.56 7088.43,4135.53 7088.43,4123.08 7068.9,4103.55 J2.B8
DNC10_P: J2.A8 R9.2 | length 786.7
  Top Layer w12: R9.2 6399.61,4169.29 6411.32,4157.57 6411.32,4154.82 6418.35,4147.8 6624.21,4147.8 6638.97,4162.56 7089.68,4162.56 7108.43,4143.81 7108.43,4123.08 7127.95,4103.55 J2.A8
DNC11_N: J2.B10 R11.1 | length 838.8
  Bottom Layer w12: R11.1 6320.87,4287.4 6332.58,4299.12 6332.58,4301.87 6339.61,4308.9 6616.74,4308.9 6647.26,4339.41 7081.4,4339.41 7088.43,4332.38 7088.43,4319.93 7068.9,4300.4 J2.B10
DNC11_P: J2.A10 R11.2 | length 872
  Bottom Layer w12: R11.2 6320.87,4350.39 6332.58,4338.68 6332.58,4335.93 6339.61,4328.9 6608.46,4328.9 6638.97,4359.41 7089.68,4359.41 7108.43,4340.67 7108.43,4319.93 7127.95,4300.4 J2.A10
ESD1: pad.ESD_STRIP_1 R20.1 | length 196.7
  Bottom Layer w20: R20.1 5785.43,184.06 5868.14,101.35 pad.ESD_STRIP_1
ESD2: "pad.ESD_STRIP_ 2" R21.2 R22.1 | length 313.9
  Bottom Layer w20: 5356.33,34.45 5342.64,48.13 5342.64,186.89 R22.1 R21.2
FPGA_CLK1_N: J2.B5
FPGA_CLK1_P: J2.A5
FPGA_CLK2_N: J2.B9
FPGA_CLK2_P: J2.A9
GND: C1.2 C2.2 C3.2 C4.2 IC1.1 IC1.2 IC1.3 IC1.8 IC2.4 IC2.5 IC2.6 IC2.7 IC3.4 IC3.5 IC3.6 IC4.1 IC4.2 IC4.3 IC4.4 IC4.7 J1.BG1 J1.BG2 J1.BG3 J1.BG4 J1.BG5 J1.BG6 J1.BG7 J1.BG8 J1.BG9 J1.BG10 J1.C1 J1.DG1 J1.DG2 J1.DG3 J1.DG4 J1.DG5 J1.DG6 J1.DG7 J1.DG8 J1.DG9 J1.DG10 J1.FG1 J1.FG2 J1.FG3 J1.FG4 J1.FG5 J1.FG6 J1.FG7 J1.FG8 J1.FG9 J1.FG10 J2.BG1 J2.BG2 J2.BG3 J2.BG4 J2.BG5 J2.BG6 J2.BG7 J2.BG8 J2.BG9 J2.BG10 J2.DG1 J2.DG2 J2.DG3 J2.DG4 J2.DG5 J2.DG6 J2.DG7 J2.DG8 J2.DG9 J2.DG10 J2.FG1 J2.FG2 J2.FG3 J2.FG4 J2.FG5 J2.FG6 J2.FG7 J2.FG8 J2.FG9 J2.FG10 J3.1 pad.0 pad.ESD_STRIP_3 pad.MH1 pad.MH2 PB1.3 PB1.4 R23.2
  other v1: 944.88,39.37 1141.73,39.37 1338.58,39.37 1535.43,39.37 1732.28,39.37 1929.13,39.37 2125.98,39.37 2322.83,39.37 2519.68,39.37 2716.54,39.37 2913.39,39.37 3110.24,39.37 3307.09,39.37 3503.94,39.37 3700.79,39.37 3897.64,39.37 4094.49,39.37 4330.71,39.37 4527.56,39.37 4724.41,39.37 4921.26,39.37
I2C_SCL_MMC: IC1.15 IC2.2 IC3.2 IC4.6 J1.D2 R18.2 | length 304.6
  Bottom Layer w12: R18.2 1141.73,462.6 1161.42,442.91 IC1.15
I2C_SDA_MMC: IC1.14 IC2.1 IC3.1 IC4.5 J1.D1 R19.2 | length 275.1
  Bottom Layer w12: R19.2 1083.46,463.78 1129.92,417.32 IC1.14
NetIC1_4: IC1.4 PB1.1 PB1.2 R13.1 | length 257.3
  Top Layer w12: PB1.1 PB1.2 1269.19,5720.96 1452.26,5720.96 R13.1
NetIC1_10: IC1.10 R15.1 | length 283.5
  Bottom Layer w12: R15.1 IC1.10
NetIC1_11: IC1.11 R16.1 | length 682.9
  Bottom Layer w12: R16.1 1200.79,354.33 1214.57,340.55 IC1.11
NetIC1_12: IC1.12 R17.1
NetIC1_13: IC1.13 R14.2 | length 621
  Bottom Layer w12: R14.2@787.4,560.24 788.19,560.24 956.69,391.73 IC1.13
NetR20_2: R20.2 R21.1 | length 82.7
  Bottom Layer w20: R21.1 R20.2
NetR22_2: R22.2 R23.1 | length 102.4
  Bottom Layer w20: R23.1 R22.2
OVER_TEMP: IC1.9 IC2.3 IC3.3 R12.2 | length 72.8
  Bottom Layer w12: R12.2 IC1.9
P2_BLUE: LED3.1 R17.2 | length 295.9
  Bottom Layer w12: R17.2 374.02,5688.98 418.31,5733.27 LED3.1
P3_GREEN: LED2.1 R16.2 | length 387.5
  Bottom Layer w12: LED2.1 285.43,179.13 293.21,186.91 295.18,186.91 462.6,354.33 R16.2
P3V3MP: C1.1 C2.1 C3.1 C4.1 IC1.16 IC2.8 IC3.7 IC3.8 IC4.8 LED1.2 LED2.2 LED3.2 R12.1 R13.2 R14.1 R18.1 R19.1 | length 2290.4
  Top Layer w12: v1(537.4,187.01) 538.39,187.99 589.57,187.99 LED1.2
  Bottom Layer w12: LED2.2 285.43,96.58 293.21,88.8 439.2,88.8 v1(537.4,187.01) 1368.11,187.01 1375.59,194.49 R12.1 1375.59,253.54 1407.48,285.43 1407.48,442.91 1384.75,465.65 1341.44,465.65 IC1.16 1338.58,538.98 1278.35,599.21 R18.1 1140.55,600.39 1112.2,600.39 1109.06,597.24 ; R14.1 1107.87,598.43 1109.06,597.24 ; R19.1 1082.68,570.87 1109.06,597.24
P4_RED: LED1.1 R15.2 | length 479.9
  Top Layer w12: LED1.1 653.54,125.98 v1(842.52,314.96)
  Bottom Layer w12: v1(842.52,314.96) R15.2
RTM_3V3MP: J1.C2
RTM_12P0V: J1.A1 J1.A2 J1.B1 J1.B2
RTM_IO0: J1.C5
RTM_IO1: J1.C6
RTM_IO2: J1.C7
RTM_IO3: J1.C8
RTM_IO4: J1.C9
RTM_IO5: J1.C10
RTM_IO6: J2.A1
RTM_IO7: J2.A2
RTM_IO8: J2.C1
RTM_IO9: J2.C2
RTM_IO10: J2.E1
RTM_IO11: J2.E2
RTM_IO12: J1.A7
RTM_IO13: J1.A8
RTM_IO14: J1.A9
RTM_LVD0_N: J1.B6
RTM_LVD0_P: J1.A6
RTM_LVD1_N: J1.F7
RTM_LVD1_P: J1.E7
RTM_LVD2_N: J1.F6
RTM_LVD2_P: J1.E6
RTM_LVD3_N: J1.F5
RTM_LVD3_P: J1.E5
RTM_LVD4_N: J1.B5
RTM_LVD4_P: J1.A5
RTM_LVD5_N: J1.F9
RTM_LVD5_P: J1.E9
RTM_LVD6_N: J1.F10
RTM_LVD6_P: J1.E10
RTM_LVD7_N: J1.F8
RTM_LVD7_P: J1.E8
SFP1RX_N: J2.D10
SFP1RX_P: J2.C10
SFP1TX_N: J2.F10
SFP1TX_P: J2.E10
SFP2RX_N: J2.D9
SFP2RX_P: J2.C9
SFP2TX_N: J2.F9
SFP2TX_P: J2.E9
SFP3RX_N: J2.D8
SFP3RX_P: J2.C8
SFP3TX_N: J2.F8
SFP3TX_P: J2.E8
SFP4RX_N: J2.D7
SFP4RX_P: J2.C7
SFP4TX_N: J2.F7
SFP4TX_P: J2.E7
SFP5RX_N: J2.D6
SFP5RX_P: J2.C6
SFP5TX_N: J2.F6
SFP5TX_P: J2.E6
SFP6RX_N: J2.D5
SFP6RX_P: J2.C5
SFP6TX_N: J2.F5
SFP6TX_P: J2.E5
SFP7RX_N: J2.D4
SFP7RX_P: J2.C4
SFP7TX_N: J2.F4
SFP7TX_P: J2.E4
SFP8RX_N: J2.D3
SFP8RX_P: J2.C3
SFP8TX_N: J2.F3
SFP8TX_P: J2.E3
SYNC_CLK1_N: J1.B3
SYNC_CLK1_P: J1.A3
TCK: J1.E1
TDI: J1.E2
TDO: J1.F1
TMS: J1.F2
pads on no net: FTG1.1 FTG2.1 FTG3.1 FTG4.1 FTG5.FTG2 FTG6.FTG2 IC1.5 IC1.6 IC1.7 J1.B7 J1.B8 J1.B9 J1.D5 J1.D6 J1.D7 J1.D8 J1.D9 J1.D10 J2.B1 J2.B2 J2.D1 J2.D2 J2.F1 J2.F2 LED2.3 LED3.3 PB1.5 PB1.10

## Polygon pours and split planes (outlines as drawn)
GND on Top Layer "Top Layer-No Net" (solid, remove dead copper, pour order 0): 0,5748.03 7204.72,5748.03 7204.72,98.43 0,98.43
GND on Bottom Layer "Bottom Layer-No Net" (solid, remove dead copper, pour order 6): 0,5748.03 7204.72,5748.03 7204.72,98.43 0,98.43
GND on Internal Plane 1 (split plane): 6261.4,5777.56 6261.79,5773.64 6262.93,5769.87 6264.79,5766.39 6267.29,5763.35 6270.33,5760.85 6273.81,5758.99 6277.58,5757.85 6281.5,5757.46 7166.91,5757.46 7166.91,3372.46 6281.5,3372.46 6277.58,3372.07 6273.81,3370.93 6270.33,3369.07 6267.29,3366.57 6264.79,3363.53 6262.93,3360.05 6261.79,3356.28 6261.4,3352.36 6261.4,22.07 557.5,22.07 557.5,41.34 557.11,45.26 555.97,49.03 554.11,52.5 551.61,55.55 548.57,58.05 545.09,59.91 541.32,61.05 537.4,61.44 258.29,61.44 258.29,206.69 257.9,210.61 256.76,214.38 254.9,217.86 252.4,220.9 249.35,223.4 245.88,225.26 242.11,226.4 238.19,226.79 22.07,226.79 22.07,5785.02 547.27,5785.02 547.61,5781.51 548.76,5777.74 550.61,5774.27 553.11,5771.22 556.16,5768.72 559.63,5766.87 563.4,5765.72 567.32,5765.34 891.73,5765.34 895.65,5765.72 899.42,5766.87 902.9,5768.72 905.94,5771.22 908.44,5774.27 910.3,5777.74 911.44,5781.51 911.83,5785.43 911.83,5828.33 6261.4,5828.33
no net on Internal Plane 2 (split plane): 6261.4,5777.56 6261.79,5773.64 6262.93,5769.87 6264.79,5766.39 6267.29,5763.35 6270.33,5760.85 6273.81,5758.99 6277.58,5757.85 6281.5,5757.46 7166.91,5757.46 7166.91,3372.46 6281.5,3372.46 6277.58,3372.07 6273.81,3370.93 6270.33,3369.07 6267.29,3366.57 6264.79,3363.53 6262.93,3360.05 6261.79,3356.28 6261.4,3352.36 6261.4,22.07 557.5,22.07 557.5,41.34 557.11,45.26 555.97,49.03 554.11,52.5 551.61,55.55 548.57,58.05 545.09,59.91 541.32,61.05 537.4,61.44 258.29,61.44 258.29,206.69 257.9,210.61 256.76,214.38 254.9,217.86 252.4,220.9 249.35,223.4 245.88,225.26 242.11,226.4 238.19,226.79 22.07,226.79 22.07,5785.02 547.27,5785.02 547.61,5781.51 548.76,5777.74 550.61,5774.27 553.11,5771.22 556.16,5768.72 559.63,5766.87 563.4,5765.72 567.32,5765.34 891.73,5765.34 895.65,5765.72 899.42,5766.87 902.9,5768.72 905.94,5771.22 908.44,5774.27 910.3,5777.74 911.44,5781.51 911.83,5785.43 911.83,5828.33 6261.4,5828.33

## Other copper
Top Layer:
  text "1" at 6141.73,2244.09 h78.74 r90
Bottom Layer:
  pour cut-out: 5039.37,334.65 5039.37,98.43 6281.5,98.43 6281.5,334.65
  text "4" at 6141.73,2598.43 h78.74 r90
Internal Plane 1 (plane layer: these items are gaps in the copper):
  region: 6259.84,2755.91
  text "2" at 6141.73,2362.2 h78.74 r90
Internal Plane 2 (plane layer: these items are gaps in the copper):
  text "3" at 6141.73,2480.32 h78.74 r90
Multi-Layer:
  pour cut-out: 6023.62,2677.17 6181.1,2677.17 6181.1,2204.72 6023.62,2204.72

## Silkscreen, mask and mechanical layers (free items; w line width, h text height)
Mechanical 2:
  circle w1.97: c7127.95,1.97 r0.98
  lines w3.94: 1.97,206.69 1.97,5805.12 567.32,5805.12 567.32,5785.43 891.73,5785.43 891.73,5848.43 6281.5,5848.43 6281.5,5777.56 7187.01,5777.56 7187.01,3352.36 6281.5,3352.36 6281.5,1448.82 6281.5,1.97 537.4,1.97 537.4,41.34 238.19,41.34 238.19,206.69 1.97,206.69
Mechanical 3:
  circle w1.97: c1.97,5805.12 r0.98
  circle w1.97: c1.97,5805.12 r0.98

## Text inside footprints (layer, text, board x,y; h text height)
J1: Top Overlay "A1" at 7244.09,4395.67 h43.31 r90; Top Overlay "A10" at 7244.09,5202.76 h43.31 r90; Drill Drawing "PRESS-FIT TECHNOLOGY" at 6608.27,4537.4 h39.37 r90; Drill Drawing "diam. 0.6mm +0.06 -0" at 7248.03,4519.69 h39.37 r90; Mechanical 14 "A1" at 7244.09,4395.67 h43.31 r90; Mechanical 14 "A10" at 7244.09,5202.76 h43.31 r90; Mechanical 8 "PCB Edge" at 7240.75,4718.5 h39.37 r90
J2: Top Overlay "A10" at 7244.09,4218.5 h43.31 r90; Top Overlay "A1" at 7244.09,3411.42 h43.31 r90; Drill Drawing "diam. 0.6mm +0.06 -0" at 7248.03,3535.43 h39.37 r90; Drill Drawing "PRESS-FIT TECHNOLOGY" at 6608.27,3553.15 h39.37 r90; Mechanical 14 "A10" at 7244.09,4218.5 h43.31 r90; Mechanical 14 "A1" at 7244.09,3411.42 h43.31 r90; Mechanical 8 "PCB Edge" at 7240.75,3734.25 h39.37 r90
J3: Mechanical 8 "PCB Edge" at 7236.89,5408.46 h39.37 r90